# KiCad board Bus_Card.kicad_pcb (continued)
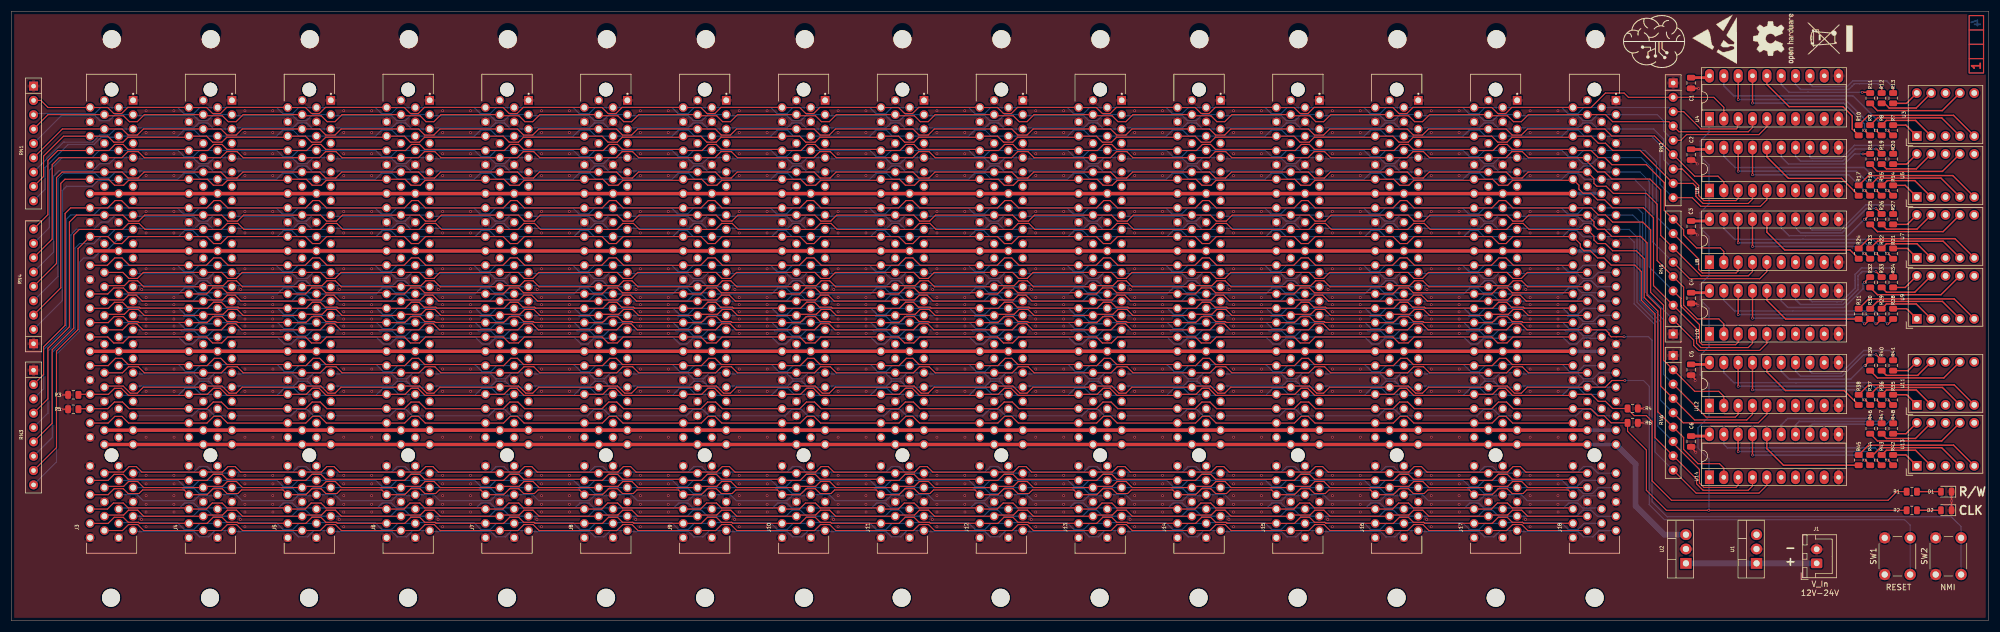
[diagram p0: board, top side]
## Routing (per net, layer and track width the routed paths; a pad name or vN(x,y) marks a point on that pad's centre or on a via; arc(x,y) is an arc through that point) (continued)
/A5: length 328.5
  Top w0.2: RN2.7 295.78,80.01 298.7,77.09 298.7,75.31 299.59,74.42 305.31,74.42 305.69,74.8 305.69,76.12 305.61,76.2
  Bottom w0.2: RN1.7 9.27,84.79 9.3,84.76 14.38,84.76 15.65,86.03 17.33,86.03 18.39,87.1 J3.A5 ; 21.76,87.3 J3.A5 ; 21.76,87.3 J3.A5 ; 21.76,87.3 32.34,87.3 33.2,88.16 34.8,88.16 35.87,87.1 J4.A5 39.26,87.3 49.84,87.3 50.7,88.16 52.3,88.16 53.37,87.1 J5.A5 56.76,87.3 67.34,87.3 68.2,88.16 69.8,88.16 70.87,87.1 J6.A5 74.26,87.3 84.84,87.3 85.7,88.16 87.3,88.16 88.37,87.1 J7.A5 91.76,87.3 102.34,87.3 103.2,88.16 104.8,88.16 105.87,87.1 J8.A5 109.26,87.3 119.84,87.3 120.7,88.16 122.3,88.16 123.37,87.1 J9.A5 126.76,87.3 137.34,87.3 138.2,88.16 139.8,88.16 140.87,87.1 J10.A5 144.26,87.3 154.84,87.3 155.7,88.16 157.3,88.16 158.37,87.1 J11.A5 161.76,87.3 172.34,87.3 173.2,88.16 174.8,88.16 175.87,87.1 J12.A5 179.26,87.3 189.84,87.3 190.7,88.16 192.3,88.16 193.37,87.1 J13.A5 196.76,87.3 207.34,87.3 208.2,88.16 209.8,88.16 210.87,87.1 J14.A5 214.26,87.3 224.84,87.3 225.7,88.16 227.3,88.16 228.37,87.1 J15.A5 231.76,87.3 242.34,87.3 243.2,88.16 244.8,88.16 245.87,87.1 J16.A5 249.26,87.3 259.84,87.3 260.7,88.16 262.3,88.16 263.37,87.1 J17.A5 266.76,87.3 277.34,87.3 278.2,88.16 279.8,88.16 280.87,87.1 J18.A5 290.73,87.1 292.48,85.34 292.48,81.71 RN2.7
/A6: length 335.3
  Top w0.2: 101.24,85.63 J8.B6 ; 101.24,85.63 J8.B6 ; 101.24,85.63 90.64,85.63 89.77,84.76 88.13,84.76 87.07,85.83 J7.B6 ; J8.B6 104.57,85.83 105.63,84.76 107.27,84.76 108.14,85.63 118.74,85.63 ; 83.74,85.63 J7.B6 ; 83.74,85.63 J7.B6 ; 83.74,85.63 73.14,85.63 72.27,84.76 70.63,84.76 69.57,85.83 J6.B6 ; 223.74,85.63 213.14,85.63 212.27,84.76 210.63,84.76 209.57,85.83 J14.B6 ; 223.74,85.63 J15.B6 ; 223.74,85.63 J15.B6 ; J5.B6 52.07,85.83 53.13,84.76 54.77,84.76 55.64,85.63 66.24,85.63 ; J5.B6 48.74,85.63 ; J5.B6 48.74,85.63 ; 31.24,85.63 J4.B6 ; 31.24,85.63 20.64,85.63 19.77,84.76 18.13,84.76 17.07,85.83 J3.B6 ; 31.24,85.63 J4.B6 ; J4.B6 34.57,85.83 35.63,84.76 37.27,84.76 38.14,85.63 48.74,85.63 ; J15.B6 227.07,85.83 228.14,84.76 229.77,84.76 230.64,85.63 241.24,85.63 ; 136.24,85.63 J10.B6 ; 136.24,85.63 125.64,85.63 124.77,84.76 123.13,84.76 122.07,85.83 J9.B6 ; 136.24,85.63 J10.B6 ; J10.B6 139.57,85.83 140.63,84.76 142.27,84.76 143.14,85.63 153.74,85.63 ; J11.B6 157.07,85.83 158.13,84.76 159.77,84.76 160.64,85.63 171.24,85.63 ; J11.B6 153.74,85.63 ; J11.B6 153.74,85.63 ; 13.74,85.63 J3.B6 ; J3.B6 9.25,85.83 5.72,82.3 5.72,78.7 RN1.8 ; 118.74,85.63 J9.B6 ; 118.74,85.63 J9.B6 ; 241.24,85.63 J16.B6 ; 241.24,85.63 J16.B6 ; 206.24,85.63 J14.B6 ; 206.24,85.63 J14.B6 ; 206.24,85.63 195.64,85.63 194.77,84.76 193.13,84.76 192.07,85.83 J13.B6 ; 66.24,85.63 J6.B6 ; 66.24,85.63 J6.B6 ; 308.15,76.2 308.23,76.12 308.23,74.68 307.47,73.91 299.47,73.91 298.2,75.18 298.2,76.96 297.69,77.47 RN2.8 288.34,83.31 283.46,83.31 282.19,84.58 280.92,84.58 279.68,85.83 J18.B6 276.24,85.63 265.64,85.63 264.77,84.76 263.14,84.76 262.07,85.83 J17.B6 ; J17.B6 258.74,85.63 ; J17.B6 258.74,85.63 ; J13.B6 188.74,85.63 ; J13.B6 188.74,85.63 ; 258.74,85.63 248.14,85.63 247.27,84.76 245.64,84.76 244.57,85.83 J16.B6 ; 171.24,85.63 J12.B6 ; 171.24,85.63 J12.B6 ; J12.B6 174.57,85.83 175.63,84.76 177.27,84.76 178.14,85.63 188.74,85.63
/A7: length 338.5
  Top w0.2: RN2.9 297.56,74.93 299.09,73.41 309.63,73.41 310.77,74.55 310.77,76.12 310.69,76.2
  Bottom w0.2: RN1.9 5.97,76.41 5.97,80.26 10.06,84.35 14.63,84.35 15.91,85.63 18.82,85.63 J3.A6 29.47,85.83 30.54,86.89 32.39,86.89 33.45,85.83 J4.A6 46.97,85.83 48.04,86.89 49.89,86.89 50.95,85.83 J5.A6 64.47,85.83 65.54,86.89 67.39,86.89 68.45,85.83 J6.A6 81.97,85.83 83.04,86.89 84.89,86.89 85.95,85.83 J7.A6 99.47,85.83 100.54,86.89 102.39,86.89 103.45,85.83 J8.A6 116.97,85.83 118.04,86.89 119.89,86.89 120.95,85.83 J9.A6 134.47,85.83 135.54,86.89 137.39,86.89 138.45,85.83 J10.A6 151.97,85.83 153.04,86.89 154.89,86.89 155.95,85.83 J11.A6 169.47,85.83 170.54,86.89 172.39,86.89 173.45,85.83 J12.A6 186.97,85.83 188.04,86.89 189.89,86.89 190.95,85.83 J13.A6 204.47,85.83 205.54,86.89 207.39,86.89 208.45,85.83 J14.A6 221.97,85.83 223.04,86.89 224.89,86.89 225.95,85.83 J15.A6 239.47,85.83 240.54,86.89 242.39,86.89 243.45,85.83 J16.A6 256.97,85.83 258.04,86.89 259.89,86.89 260.95,85.83 J17.A6 274.47,85.83 275.54,86.89 277.39,86.89 278.45,85.83 J18.A6 290.34,85.83 291.85,84.33 291.85,77.26 RN2.9
/A8: length 341.1
  Top w0.2: 171.23,83.49 J12.B8 ; 171.23,83.49 J12.B8 ; 171.23,83.49 160.67,83.49 159.8,84.36 158.35,84.36 157.28,83.29 J11.B8 ; J12.B8 174.78,83.29 175.85,84.36 177.3,84.36 178.17,83.49 188.73,83.49 ; 136.23,83.49 J10.B8 ; 136.23,83.49 125.67,83.49 124.8,84.36 123.35,84.36 122.28,83.29 J9.B8 ; 136.23,83.49 J10.B8 ; J10.B8 139.78,83.29 140.85,84.36 142.3,84.36 143.17,83.49 153.73,83.49 ; J3.B8 17.28,83.29 18.35,84.36 19.8,84.36 20.67,83.49 31.23,83.49 ; J3.B8 13.73,83.49 ; J3.B8 8.23,83.29 6.48,81.53 6.48,71.92 RN4.9 ; J6.B8 69.78,83.29 70.85,84.36 72.3,84.36 73.17,83.49 83.73,83.49 ; J6.B8 66.23,83.49 ; J6.B8 66.23,83.49 ; 66.23,83.49 55.67,83.49 54.8,84.36 53.35,84.36 52.28,83.29 J5.B8 ; 206.23,83.49 195.67,83.49 194.8,84.36 193.35,84.36 192.28,83.29 J13.B8 ; 206.23,83.49 J14.B8 ; 206.23,83.49 J14.B8 ; J16.B8 244.78,83.29 245.85,84.36 247.3,84.36 248.17,83.49 258.73,83.49 ; J16.B8 241.23,83.49 ; J16.B8 241.23,83.49 ; 48.73,83.49 J5.B8 ; 48.73,83.49 J5.B8 ; 48.73,83.49 38.17,83.49 37.3,84.36 35.85,84.36 34.78,83.29 J4.B8 ; 83.73,83.49 J7.B8 ; 83.73,83.49 J7.B8 ; 101.23,83.49 J8.B8 ; 101.23,83.49 90.67,83.49 89.8,84.36 88.35,84.36 87.28,83.29 J7.B8 ; 101.23,83.49 J8.B8 ; J8.B8 104.78,83.29 105.85,84.36 107.3,84.36 108.17,83.49 118.73,83.49 ; 241.23,83.49 230.67,83.49 229.8,84.36 228.35,84.36 227.28,83.29 J15.B8 ; 118.73,83.49 J9.B8 ; 118.73,83.49 J9.B8 ; 258.73,83.49 J17.B8 ; 258.73,83.49 J17.B8 ; J17.B8 262.28,83.29 263.36,84.36 264.8,84.36 265.67,83.49 276.23,83.49 J18.B8 279.68,83.29 280.92,82.04 282.07,82.04 283.34,80.77 289.43,80.77 292.61,77.6 292.61,72.69 RN5.9 296.04,69.26 296.04,68.33 298.32,66.04 302.51,66.04 303.15,65.4 303.15,63.58 303.07,63.5 ; J11.B8 153.73,83.49 ; J11.B8 153.73,83.49 ; 188.73,83.49 J13.B8 ; 188.73,83.49 J13.B8 ; J4.B8 31.23,83.49 ; J4.B8 31.23,83.49 ; 223.73,83.49 J15.B8 ; 223.73,83.49 213.17,83.49 212.3,84.36 210.85,84.36 209.78,83.29 J14.B8 ; 223.73,83.49 J15.B8
/A9: length 345.2
  Top w0.2: RN5.8 298.7,64.05 298.7,62.23 299.34,61.59 305.31,61.59 305.68,61.97 305.68,63.42 305.61,63.5
  Bottom w0.2: RN5.8 291.21,71.55 291.21,81.28 289.2,83.29 J18.A8 278.28,83.29 277.22,82.22 275.58,82.22 274.52,83.29 J17.A8 260.78,83.29 259.72,82.22 258.08,82.22 257.02,83.29 J16.A8 243.28,83.29 242.22,82.22 240.58,82.22 239.52,83.29 J15.A8 225.78,83.29 224.72,82.22 223.08,82.22 222.02,83.29 J14.A8 208.28,83.29 207.22,82.22 205.58,82.22 204.52,83.29 J13.A8 190.78,83.29 189.72,82.22 188.08,82.22 187.02,83.29 J12.A8 173.28,83.29 172.22,82.22 170.58,82.22 169.52,83.29 J11.A8 155.78,83.29 154.72,82.22 153.08,82.22 152.02,83.29 J10.A8 138.28,83.29 137.22,82.22 135.58,82.22 134.52,83.29 J9.A8 120.78,83.29 119.72,82.22 118.08,82.22 117.02,83.29 J8.A8 103.28,83.29 102.22,82.22 100.58,82.22 99.52,83.29 J7.A8 85.78,83.29 84.72,82.22 83.08,82.22 82.02,83.29 J6.A8 68.28,83.29 67.22,82.22 65.58,82.22 64.52,83.29 J5.A8 50.78,83.29 49.72,82.22 48.08,82.22 47.02,83.29 J4.A8 33.28,83.29 32.22,82.22 30.58,82.22 29.52,83.29 J3.A8 15.6,83.29 14.35,82.04 9.02,82.04 6.73,79.76 6.73,69.63 RN4.8
/A10: length 348.4
  Top w0.2: RN4.7 7.24,67.6 7.24,80.77 8.49,82.02 J3.B9 19.57,82.02 20.63,83.08 22.48,83.08 23.55,82.02 J4.B9 37.07,82.02 38.13,83.08 39.98,83.08 41.05,82.02 J5.B9 54.57,82.02 55.63,83.08 57.48,83.08 58.55,82.02 J6.B9 72.07,82.02 73.13,83.08 74.98,83.08 76.05,82.02 J7.B9 89.57,82.02 90.63,83.08 92.48,83.08 93.55,82.02 J8.B9 107.07,82.02 108.13,83.08 109.98,83.08 111.05,82.02 J9.B9 124.57,82.02 125.63,83.08 127.48,83.08 128.55,82.02 J10.B9 142.07,82.02 143.13,83.08 144.98,83.08 146.05,82.02 J11.B9 159.57,82.02 160.63,83.08 162.48,83.08 163.55,82.02 J12.B9 177.07,82.02 178.13,83.08 179.98,83.08 181.05,82.02 J13.B9 194.57,82.02 195.63,83.08 197.48,83.08 198.55,82.02 J14.B9 212.07,82.02 213.13,83.08 214.98,83.08 216.05,82.02 J15.B9 229.57,82.02 230.63,83.08 232.48,83.08 233.55,82.02 J16.B9 247.07,82.02 248.13,83.08 249.98,83.08 251.05,82.02 J17.B9 264.57,82.02 265.63,83.08 267.48,83.08 268.55,82.02 J18.B9 278.98,81.32 280.8,79.5 282.07,79.5 283.34,78.23 290.07,78.23 291.97,76.33 291.97,68.25 RN5.7 299.13,61.09 307.47,61.09 308.22,61.84 308.22,63.42 308.15,63.5
/A11: length 355.3
  Top w0.2: 310.69,63.5 310.76,63.42 310.76,61.84 309.5,60.58 297.1,60.58 RN5.6
  Bottom w0.2: J3.A9 18.39,82.02 17.33,80.95 15.65,80.95 14.38,79.68 8.44,79.68 7.49,78.74 7.49,65.31 RN4.6 ; J3.A9 21.76,81.81 ; J3.A9 21.76,81.81 ; RN5.6 290.58,67.1 290.58,80.01 288.57,82.02 J18.A9 280.91,82.02 279.84,80.95 278.25,80.95 277.39,81.81 266.76,81.81 J17.A9 263.41,82.02 262.34,80.95 260.75,80.95 259.89,81.81 249.26,81.81 J16.A9 245.91,82.02 244.84,80.95 243.25,80.95 242.39,81.81 231.76,81.81 J15.A9 228.41,82.02 227.34,80.95 225.75,80.95 224.89,81.81 214.26,81.81 J14.A9 210.91,82.02 209.84,80.95 208.25,80.95 207.39,81.81 196.76,81.81 J13.A9 193.41,82.02 192.34,80.95 190.75,80.95 189.89,81.81 179.26,81.81 J12.A9 175.91,82.02 174.84,80.95 173.25,80.95 172.39,81.81 161.76,81.81 J11.A9 158.41,82.02 157.34,80.95 155.75,80.95 154.89,81.81 144.26,81.81 J10.A9 140.91,82.02 139.84,80.95 138.25,80.95 137.39,81.81 126.76,81.81 J9.A9 123.41,82.02 122.34,80.95 120.75,80.95 119.89,81.81 109.26,81.81 J8.A9 105.91,82.02 104.84,80.95 103.25,80.95 102.39,81.81 91.76,81.81 J7.A9 88.41,82.02 87.34,80.95 85.75,80.95 84.89,81.81 74.26,81.81 J6.A9 70.91,82.02 69.84,80.95 68.25,80.95 67.39,81.81 56.76,81.81 J5.A9 53.41,82.02 52.34,80.95 50.75,80.95 49.89,81.81 39.26,81.81 J4.A9 35.91,82.02 34.84,80.95 33.25,80.95 32.39,81.81 21.76,81.81
/A12: length 350.9
  Top w0.2: RN4.5 8,63.28 8,78.49 8.99,79.48 J3.B11 19.61,79.48 20.67,78.41 22.44,78.41 23.5,79.48 J4.B11 37.11,79.48 38.18,78.41 39.94,78.41 41,79.48 J5.B11 54.61,79.48 55.68,78.41 57.44,78.41 58.5,79.48 J6.B11 72.11,79.48 73.18,78.41 74.94,78.41 76,79.48 J7.B11 89.61,79.48 90.67,78.41 92.44,78.41 93.5,79.48 J8.B11 107.11,79.48 108.17,78.41 109.94,78.41 111,79.48 J9.B11 124.61,79.48 125.67,78.41 127.44,78.41 128.5,79.48 J10.B11 142.11,79.48 143.17,78.41 144.94,78.41 146,79.48 J11.B11 159.61,79.48 160.67,78.41 162.44,78.41 163.5,79.48 J12.B11 177.11,79.48 178.17,78.41 179.94,78.41 181,79.48 J13.B11 194.61,79.48 195.67,78.41 197.44,78.41 198.5,79.48 J14.B11 212.11,79.48 213.17,78.41 214.94,78.41 216,79.48 J15.B11 229.61,79.48 230.67,78.41 232.44,78.41 233.5,79.48 J16.B11 247.11,79.48 248.17,78.41 249.94,78.41 251,79.48 J17.B11 264.61,79.48 265.68,78.41 267.44,78.41 268.5,79.48 J18.B11 280.16,78.3 280.16,77.47 280.67,76.96 282.32,76.96 283.59,75.69 289.43,75.69 291.34,73.79 291.34,63.8 RN5.5 296.04,59.1 296.04,55.88 298.45,53.47 302.26,53.47 303.15,52.58 303.15,50.87 303.07,50.8
/A13: length 361.3
  Top w0.2: 305.61,50.8 305.69,50.72 305.69,49.35 305.23,48.89 299.34,48.89 298.83,49.4 298.83,52.45 295.53,55.75 295.53,57.07 RN5.4
  Bottom w0.2: 21.74,79.66 J3.A11 ; 21.74,79.66 J3.A11 ; 21.74,79.66 32.41,79.66 33.29,80.54 34.8,80.54 35.87,79.48 J4.A11 39.24,79.66 49.91,79.66 50.79,80.54 52.3,80.54 53.37,79.48 J5.A11 56.74,79.66 67.41,79.66 68.29,80.54 69.8,80.54 70.87,79.48 J6.A11 74.24,79.66 84.91,79.66 85.79,80.54 87.3,80.54 88.37,79.48 J7.A11 91.74,79.66 102.41,79.66 103.29,80.54 104.8,80.54 105.87,79.48 J8.A11 109.24,79.66 119.91,79.66 120.79,80.54 122.3,80.54 123.37,79.48 J9.A11 126.74,79.66 137.41,79.66 138.29,80.54 139.8,80.54 140.87,79.48 J10.A11 144.24,79.66 154.91,79.66 155.79,80.54 157.3,80.54 158.37,79.48 J11.A11 161.74,79.66 172.41,79.66 173.29,80.54 174.8,80.54 175.87,79.48 J12.A11 179.24,79.66 189.91,79.66 190.79,80.54 192.3,80.54 193.37,79.48 J13.A11 196.74,79.66 207.41,79.66 208.29,80.54 209.8,80.54 210.87,79.48 J14.A11 214.24,79.66 224.91,79.66 225.79,80.54 227.3,80.54 228.37,79.48 J15.A11 231.74,79.66 242.41,79.66 243.29,80.54 244.8,80.54 245.87,79.48 J16.A11 249.24,79.66 259.91,79.66 260.79,80.54 262.3,80.54 263.37,79.48 J17.A11 266.74,79.66 277.41,79.66 278.29,80.54 279.8,80.54 280.87,79.48 J18.A11 288.31,79.48 289.94,77.85 289.94,62.66 RN5.4 ; J3.A11 18.39,79.48 17.33,78.41 15.69,78.41 14.84,79.26 9.29,79.26 8.26,78.23 8.26,61 RN4.4
/A14: length 365.6
  Top w0.2: 31.25,78.01 20.77,78.01 19.89,77.13 18.27,77.13 17.21,78.2 J3.B12 ; 31.25,78.01 J4.B12 ; 31.25,78.01 J4.B12 ; J13.B12 192.21,78.2 193.27,77.13 194.89,77.13 195.77,78.01 206.25,78.01 ; J13.B12 188.75,78.01 ; J13.B12 188.75,78.01 ; 206.25,78.01 J14.B12 ; 206.25,78.01 J14.B12 ; J14.B12 209.71,78.2 210.77,77.13 212.39,77.13 213.27,78.01 223.75,78.01 ; 223.75,78.01 J15.B12 ; 223.75,78.01 J15.B12 ; J6.B12 69.71,78.2 70.77,77.13 72.39,77.13 73.27,78.01 83.75,78.01 ; J6.B12 66.25,78.01 ; J6.B12 66.25,78.01 ; 101.25,78.01 J8.B12 ; 101.25,78.01 90.77,78.01 89.89,77.13 88.27,77.13 87.21,78.2 J7.B12 ; 101.25,78.01 J8.B12 ; J8.B12 104.71,78.2 105.77,77.13 107.39,77.13 108.27,78.01 118.75,78.01 ; 188.75,78.01 178.27,78.01 177.39,77.13 175.77,77.13 174.71,78.2 J12.B12 ; J4.B12 34.71,78.2 35.77,77.13 37.39,77.13 38.27,78.01 48.75,78.01 ; 153.75,78.01 J11.B12 ; 153.75,78.01 143.27,78.01 142.39,77.13 140.77,77.13 139.71,78.2 J10.B12 ; 153.75,78.01 J11.B12 ; J11.B12 157.21,78.2 158.27,77.13 159.89,77.13 160.77,78.01 171.25,78.01 ; 136.25,78.01 J10.B12 ; 136.25,78.01 125.77,78.01 124.89,77.13 123.27,77.13 122.21,78.2 J9.B12 ; 136.25,78.01 J10.B12 ; 258.75,78.01 J17.B12 ; 258.75,78.01 248.27,78.01 247.39,77.13 245.77,77.13 244.71,78.2 J16.B12 ; 258.75,78.01 J17.B12 ; J17.B12 262.21,78.2 263.27,77.13 264.89,77.13 265.77,78.01 276.25,78.01 J18.B12 277.5,77.14 277.5,76.45 278.26,75.69 279.65,75.69 280.8,74.55 282.07,74.55 283.46,73.15 288.93,73.15 290.7,71.37 290.7,59.36 RN5.3 298.32,51.74 298.32,49.15 299.09,48.39 307.47,48.39 308.23,49.15 308.23,50.72 308.15,50.8 ; 13.75,78.01 J3.B12 ; J3.B12 9.49,78.2 8.76,77.47 8.76,58.96 RN4.3 ; 83.75,78.01 J7.B12 ; 83.75,78.01 J7.B12 ; 241.25,78.01 J16.B12 ; 241.25,78.01 230.77,78.01 229.89,77.13 228.27,77.13 227.21,78.2 J15.B12 ; 241.25,78.01 J16.B12 ; 48.75,78.01 J5.B12 ; 48.75,78.01 J5.B12 ; J5.B12 52.21,78.2 53.27,77.13 54.89,77.13 55.77,78.01 66.25,78.01 ; 171.25,78.01 J12.B12 ; 171.25,78.01 J12.B12 ; J9.B12 118.75,78.01 ; J9.B12 118.75,78.01
/A15: length 368.4
  Top w0.2: RN5.2 297.81,49.7 297.81,48.77 298.7,47.88 309.5,47.88 310.77,49.15 310.77,50.72 310.69,50.8
  Bottom w0.2: RN4.2 9.02,56.68 9.02,76.2 9.78,76.96 14.35,76.96 15.4,78.01 18.83,78.01 J3.A12 29.46,78.2 30.53,79.26 32.4,79.26 33.46,78.2 J4.A12 46.96,78.2 48.03,79.26 49.9,79.26 50.96,78.2 J5.A12 64.46,78.2 65.53,79.26 67.4,79.26 68.46,78.2 J6.A12 81.96,78.2 83.03,79.26 84.9,79.26 85.96,78.2 J7.A12 99.46,78.2 100.53,79.26 102.4,79.26 103.46,78.2 J8.A12 116.96,78.2 118.03,79.26 119.9,79.26 120.96,78.2 J9.A12 134.46,78.2 135.53,79.26 137.4,79.26 138.46,78.2 J10.A12 151.96,78.2 153.03,79.26 154.9,79.26 155.96,78.2 J11.A12 169.46,78.2 170.53,79.26 172.4,79.26 173.46,78.2 J12.A12 186.96,78.2 188.03,79.26 189.9,79.26 190.96,78.2 J13.A12 204.46,78.2 205.53,79.26 207.4,79.26 208.46,78.2 J14.A12 221.96,78.2 223.03,79.26 224.9,79.26 225.96,78.2 J15.A12 239.46,78.2 240.53,79.26 242.4,79.26 243.46,78.2 J16.A12 256.96,78.2 258.03,79.26 259.9,79.26 260.96,78.2 J17.A12 274.46,78.2 275.53,79.26 277.4,79.26 278.46,78.2 J18.A12 287.31,78.2 289.31,76.2 289.31,58.21 RN5.2
/CLK: length 427
  Top w0.2: R2.1 v1(300.48,19.56) 292.99,19.56 289.43,23.11 289.43,30.23 286.11,33.55 R6.1 283.21,35.05 281.94,36.32 280.8,36.32 279.56,37.56 J18.B44 265.86,37.56 264.68,38.73 263.25,38.73 262.08,37.56 J17.B44 248.36,37.56 247.18,38.73 245.75,38.73 244.58,37.56 J16.B44 230.86,37.56 229.68,38.73 228.25,38.73 227.08,37.56 J15.B44 213.36,37.56 212.18,38.73 210.75,38.73 209.58,37.56 J14.B44 195.86,37.56 194.68,38.73 193.25,38.73 192.08,37.56 J13.B44 178.36,37.56 177.18,38.73 175.75,38.73 174.58,37.56 J12.B44 160.86,37.56 159.68,38.73 158.25,38.73 157.08,37.56 J11.B44 143.36,37.56 142.18,38.73 140.75,38.73 139.58,37.56 J10.B44 125.86,37.56 124.68,38.73 123.25,38.73 122.08,37.56 J9.B44 108.36,37.56 107.18,38.73 105.75,38.73 104.58,37.56 J8.B44 90.86,37.56 89.68,38.73 88.25,38.73 87.08,37.56 J7.B44 73.36,37.56 72.18,38.73 70.75,38.73 69.58,37.56 J6.B44 55.86,37.56 54.68,38.73 53.26,38.73 52.08,37.56 J5.B44 38.36,37.56 37.18,38.73 35.76,38.73 34.58,37.56 J4.B44 20.86,37.56 19.68,38.73 18.26,38.73 17.08,37.56 J3.B44 11.98,37.56 R5.1
  Bottom w0.2: v1(300.48,19.56) 300.53,19.6 300.53,28.65 298.58,30.61 298.58,34.16 300.53,36.11 300.53,41.99 298.96,43.56 298.96,46.99 300.53,48.57 300.53,55.32 298.96,56.9 298.96,59.56 300.53,61.13 300.53,68.02 298.96,69.6 298.96,72.26 300.53,73.84 300.53,80.72 298.96,82.3 298.96,84.96 300.53,86.54 300.53,88.9
/D0: length 370.5
  Top w0.2: RN3.2 5.72,43.62 5.72,48.51 9.52,52.32 9.52,72.14 10.51,73.12 J3.B16 17.08,73.12 18.38,74.42 19.52,74.42 20.83,73.12 J4.B16 34.58,73.12 35.88,74.42 37.02,74.42 38.33,73.12 J5.B16 52.08,73.12 53.38,74.42 54.52,74.42 55.83,73.12 J6.B16 69.58,73.12 70.88,74.42 72.02,74.42 73.33,73.12 J7.B16 87.08,73.12 88.38,74.42 89.52,74.42 90.83,73.12 J8.B16 104.58,73.12 105.88,74.42 107.02,74.42 108.33,73.12 J9.B16 122.08,73.12 123.38,74.42 124.52,74.42 125.83,73.12 J10.B16 139.58,73.12 140.88,74.42 142.02,74.42 143.33,73.12 J11.B16 157.08,73.12 158.38,74.42 159.52,74.42 160.83,73.12 J12.B16 174.58,73.12 175.88,74.42 177.02,74.42 178.33,73.12 J13.B16 192.08,73.12 193.38,74.42 194.52,74.42 195.83,73.12 J14.B16 209.58,73.12 210.88,74.42 212.02,74.42 213.33,73.12 J15.B16 227.08,73.12 228.38,74.42 229.52,74.42 230.83,73.12 J16.B16 244.58,73.12 245.88,74.42 247.02,74.42 248.33,73.12 J17.B16 262.08,73.12 263.38,74.42 264.52,74.42 265.83,73.12 J18.B16 279.69,73.12 280.92,71.88 282.19,71.88 283.46,70.61 288.8,70.61 290.19,69.21 290.19,58.17 292.48,55.88 292.48,46.15 RN6.2 297.99,40.64 302.26,40.64 303.14,39.76 303.14,38.18 303.07,38.11
/D1: length 375.9
  Top w0.2: RN6.3 300.02,36.07 305.18,36.07 305.68,36.57 305.68,38.03 305.61,38.11
  Bottom w0.2: RN3.3 5.72,41.08 5.72,48.01 9.78,52.07 9.78,71.12 10.54,71.88 14.6,71.88 15.84,73.12 J3.A16 29.4,73.12 30.46,72.05 32.21,72.05 33.27,73.12 J4.A16 46.9,73.12 47.96,72.05 49.71,72.05 50.77,73.12 J5.A16 64.4,73.12 65.46,72.05 67.21,72.05 68.27,73.12 J6.A16 81.9,73.12 82.96,72.05 84.71,72.05 85.77,73.12 J7.A16 99.4,73.12 100.46,72.05 102.21,72.05 103.27,73.12 J8.A16 116.9,73.12 117.96,72.05 119.71,72.05 120.77,73.12 J9.A16 134.4,73.12 135.46,72.05 137.21,72.05 138.27,73.12 J10.A16 151.9,73.12 152.96,72.05 154.71,72.05 155.77,73.12 J11.A16 169.4,73.12 170.46,72.05 172.21,72.05 173.27,73.12 J12.A16 186.9,73.12 187.96,72.05 189.71,72.05 190.77,73.12 J13.A16 204.4,73.12 205.46,72.05 207.21,72.05 208.27,73.12 J14.A16 221.9,73.12 222.96,72.05 224.71,72.05 225.77,73.12 J15.A16 239.4,73.12 240.46,72.05 242.21,72.05 243.27,73.12 J16.A16 256.9,73.12 257.96,72.05 259.71,72.05 260.77,73.12 J17.A16 274.4,73.12 275.46,72.05 277.21,72.05 278.27,73.12 J18.A16 287.81,73.12 288.8,72.14 288.8,57.02 292.48,53.34 292.48,43.61 RN6.3
/D2: length 379
  Top w0.2: RN3.4 6.48,39.3 6.48,48.26 10.29,52.07 10.29,70.61 11.52,71.85 J3.B17 19.75,71.85 20.81,70.78 22.55,70.78 23.62,71.85 J4.B17 37.25,71.85 38.31,70.78 40.05,70.78 41.12,71.85 J5.B17 54.75,71.85 55.81,70.78 57.55,70.78 58.62,71.85 J6.B17 72.25,71.85 73.31,70.78 75.06,70.78 76.12,71.85 J7.B17 89.75,71.85 90.81,70.78 92.56,70.78 93.62,71.85 J8.B17 107.25,71.85 108.31,70.78 110.06,70.78 111.12,71.85 J9.B17 124.75,71.85 125.81,70.78 127.56,70.78 128.62,71.85 J10.B17 142.25,71.85 143.31,70.78 145.06,70.78 146.12,71.85 J11.B17 159.75,71.85 160.81,70.78 162.56,70.78 163.62,71.85 J12.B17 177.25,71.85 178.31,70.78 180.06,70.78 181.12,71.85 J13.B17 194.75,71.85 195.81,70.78 197.56,70.78 198.62,71.85 J14.B17 212.25,71.85 213.31,70.78 215.05,70.78 216.12,71.85 J15.B17 229.75,71.85 230.81,70.78 232.55,70.78 233.62,71.85 J16.B17 247.25,71.85 248.31,70.78 250.05,70.78 251.12,71.85 J17.B17 264.75,71.85 265.81,70.78 267.56,70.78 268.62,71.85 J18.B17 280.16,70.67 280.16,69.98 280.8,69.34 282.07,69.34 283.34,68.07 288.42,68.07 289.56,66.93 289.56,57.66 291.97,55.24 291.97,41.58 RN6.4 297.99,35.56 307.21,35.56 308.22,36.57 308.22,38.03 308.15,38.11
/D3: length 385.8
  Top w0.2: 310.69,38.11 310.76,38.03 310.76,36.57 309.25,35.05 295.96,35.05 RN6.5
  Bottom w0.2: RN3.5 6.48,36.76 6.48,47.75 10.54,51.82 10.54,68.33 11.56,69.34 14.6,69.34 15.88,70.61 17.15,70.61 18.38,71.85 J3.A17 ; 21.76,71.64 32.27,71.64 33.13,70.78 34.75,70.78 35.81,71.85 J4.A17 39.26,71.64 49.77,71.64 50.63,70.78 52.25,70.78 53.31,71.85 J5.A17 56.76,71.64 67.27,71.64 68.13,70.78 69.75,70.78 70.81,71.85 J6.A17 74.26,71.64 84.77,71.64 85.63,70.78 87.25,70.78 88.31,71.85 J7.A17 91.76,71.64 102.27,71.64 103.13,70.78 104.75,70.78 105.81,71.85 J8.A17 109.26,71.64 119.77,71.64 120.63,70.78 122.25,70.78 123.31,71.85 J9.A17 126.76,71.64 137.27,71.64 138.13,70.78 139.75,70.78 140.81,71.85 J10.A17 144.26,71.64 154.77,71.64 155.63,70.78 157.25,70.78 158.31,71.85 J11.A17 161.76,71.64 172.27,71.64 173.13,70.78 174.75,70.78 175.81,71.85 J12.A17 179.26,71.64 189.77,71.64 190.63,70.78 192.25,70.78 193.31,71.85 J13.A17 196.76,71.64 207.27,71.64 208.13,70.78 209.75,70.78 210.81,71.85 J14.A17 214.26,71.64 224.77,71.64 225.63,70.78 227.25,70.78 228.31,71.85 J15.A17 231.76,71.64 242.27,71.64 243.13,70.78 244.75,70.78 245.81,71.85 J16.A17 249.26,71.64 259.77,71.64 260.63,70.78 262.25,70.78 263.31,71.85 J17.A17 266.76,71.64 277.27,71.64 278.13,70.78 279.75,70.78 280.81,71.85 J18.A17 287.05,71.85 288.29,70.61 288.29,56.64 291.97,52.96 291.97,39.04 RN6.5 ; 21.76,71.64 J3.A17 ; 21.76,71.64 J3.A17
/D4: length 380.6
  Top w0.2: RN3.6 7.24,34.98 7.24,48.01 11.05,51.82 11.05,68.33 12.03,69.31 J3.B19 19.68,69.31 20.75,70.37 22.62,70.37 23.68,69.31 J4.B19 37.18,69.31 38.25,70.37 40.12,70.37 41.18,69.31 J5.B19 54.68,69.31 55.75,70.37 57.62,70.37 58.68,69.31 J6.B19 72.18,69.31 73.25,70.37 75.12,70.37 76.18,69.31 J7.B19 89.68,69.31 90.75,70.37 92.62,70.37 93.68,69.31 J8.B19 107.18,69.31 108.25,70.37 110.12,70.37 111.18,69.31 J9.B19 124.68,69.31 125.75,70.37 127.62,70.37 128.68,69.31 J10.B19 142.18,69.31 143.25,70.37 145.12,70.37 146.18,69.31 J11.B19 159.68,69.31 160.75,70.37 162.62,70.37 163.68,69.31 J12.B19 177.18,69.31 178.25,70.37 180.12,70.37 181.18,69.31 J13.B19 194.68,69.31 195.75,70.37 197.62,70.37 198.68,69.31 J14.B19 212.18,69.31 213.25,70.37 215.12,70.37 216.18,69.31 J15.B19 229.68,69.31 230.75,70.37 232.62,70.37 233.68,69.31 J16.B19 247.18,69.31 248.25,70.37 250.12,70.37 251.18,69.31 J17.B19 264.68,69.31 265.75,70.37 267.62,70.37 268.68,69.31 J18.B19 280.16,68.13 280.16,67.44 280.8,66.8 282.19,66.8 283.46,65.53 287.66,65.53 289.05,64.13 289.05,57.28 291.47,54.86 291.47,37 RN6.6 296.04,32.43 296.04,30.35 298.58,27.81 302.39,27.81 303.15,27.05 303.15,25.48 303.07,25.4
/D5: length 388.8
  Top w0.2: RN6.7 294.18,31.45 298.83,26.8 298.83,24.38 299.59,23.62 305.31,23.62 305.68,24 305.68,25.32 305.61,25.4
  Bottom w0.2: 21.76,69.51 J3.A19 ; 21.76,69.51 J3.A19 ; 21.76,69.51 32.46,69.51 33.32,70.37 34.68,70.37 35.75,69.31 J4.A19 39.26,69.51 49.96,69.51 50.82,70.37 52.18,70.37 53.25,69.31 J5.A19 56.76,69.51 67.46,69.51 68.32,70.37 69.68,70.37 70.75,69.31 J6.A19 74.26,69.51 84.96,69.51 85.82,70.37 87.18,70.37 88.25,69.31 J7.A19 91.76,69.51 102.46,69.51 103.32,70.37 104.68,70.37 105.75,69.31 J8.A19 109.26,69.51 119.96,69.51 120.82,70.37 122.18,70.37 123.25,69.31 J9.A19 126.76,69.51 137.46,69.51 138.32,70.37 139.68,70.37 140.75,69.31 J10.A19 144.26,69.51 154.96,69.51 155.82,70.37 157.18,70.37 158.25,69.31 J11.A19 161.76,69.51 172.46,69.51 173.32,70.37 174.68,70.37 175.75,69.31 J12.A19 179.26,69.51 189.96,69.51 190.82,70.37 192.18,70.37 193.25,69.31 J13.A19 196.76,69.51 207.46,69.51 208.32,70.37 209.68,70.37 210.75,69.31 J14.A19 214.26,69.51 224.96,69.51 225.82,70.37 227.18,70.37 228.25,69.31 J15.A19 231.76,69.51 242.46,69.51 243.32,70.37 244.68,70.37 245.75,69.31 J16.A19 249.26,69.51 259.96,69.51 260.82,70.37 262.18,70.37 263.25,69.31 J17.A19 266.76,69.51 277.46,69.51 278.32,70.37 279.68,70.37 280.75,69.31 J18.A19 286.42,69.31 287.78,67.94 287.78,56.39 291.47,52.7 291.47,34.46 RN6.7 ; J3.A19 18.38,69.31 17.15,68.07 15.88,68.07 14.6,66.8 12.06,66.8 11.3,66.04 11.3,51.56 7.24,47.5 7.24,32.44 RN3.7
/D6: length 392.4
  Top w0.2: RN3.8 8,30.66 8,47.75 11.81,51.56 11.81,65.91 J3.B20 17.08,68.04 18.32,66.8 19.59,66.8 20.83,68.04 J4.B20 34.58,68.04 35.82,66.8 37.09,66.8 38.33,68.04 J5.B20 52.08,68.04 53.32,66.8 54.59,66.8 55.83,68.04 J6.B20 69.58,68.04 70.82,66.8 72.09,66.8 73.33,68.04 J7.B20 87.08,68.04 88.32,66.8 89.59,66.8 90.83,68.04 J8.B20 104.58,68.04 105.82,66.8 107.09,66.8 108.33,68.04 J9.B20 122.08,68.04 123.32,66.8 124.59,66.8 125.83,68.04 J10.B20 139.58,68.04 140.82,66.8 142.09,66.8 143.33,68.04 J11.B20 157.08,68.04 158.32,66.8 159.59,66.8 160.83,68.04 J12.B20 174.58,68.04 175.82,66.8 177.09,66.8 178.33,68.04 J13.B20 192.08,68.04 193.32,66.8 194.59,66.8 195.83,68.04 J14.B20 209.58,68.04 210.82,66.8 212.09,66.8 213.33,68.04 J15.B20 227.08,68.04 228.32,66.8 229.59,66.8 230.83,68.04 J16.B20 244.58,68.04 245.82,66.8 247.09,66.8 248.33,68.04 J17.B20 262.08,68.04 263.32,66.8 264.59,66.8 265.83,68.04 J18.B20 277.75,66.73 277.75,66.17 278.38,65.53 279.53,65.53 280.8,64.26 281.94,64.26 283.21,62.99 287.4,62.99 288.54,61.85 288.54,56.77 290.96,54.36 290.96,32.43 RN6.8 298.32,25.07 298.32,24.26 299.47,23.11 307.47,23.11 308.22,23.87 308.22,25.32 308.15,25.4